# Altium PCB T1_Card.PcbDoc (part 1 of 6) (continued)
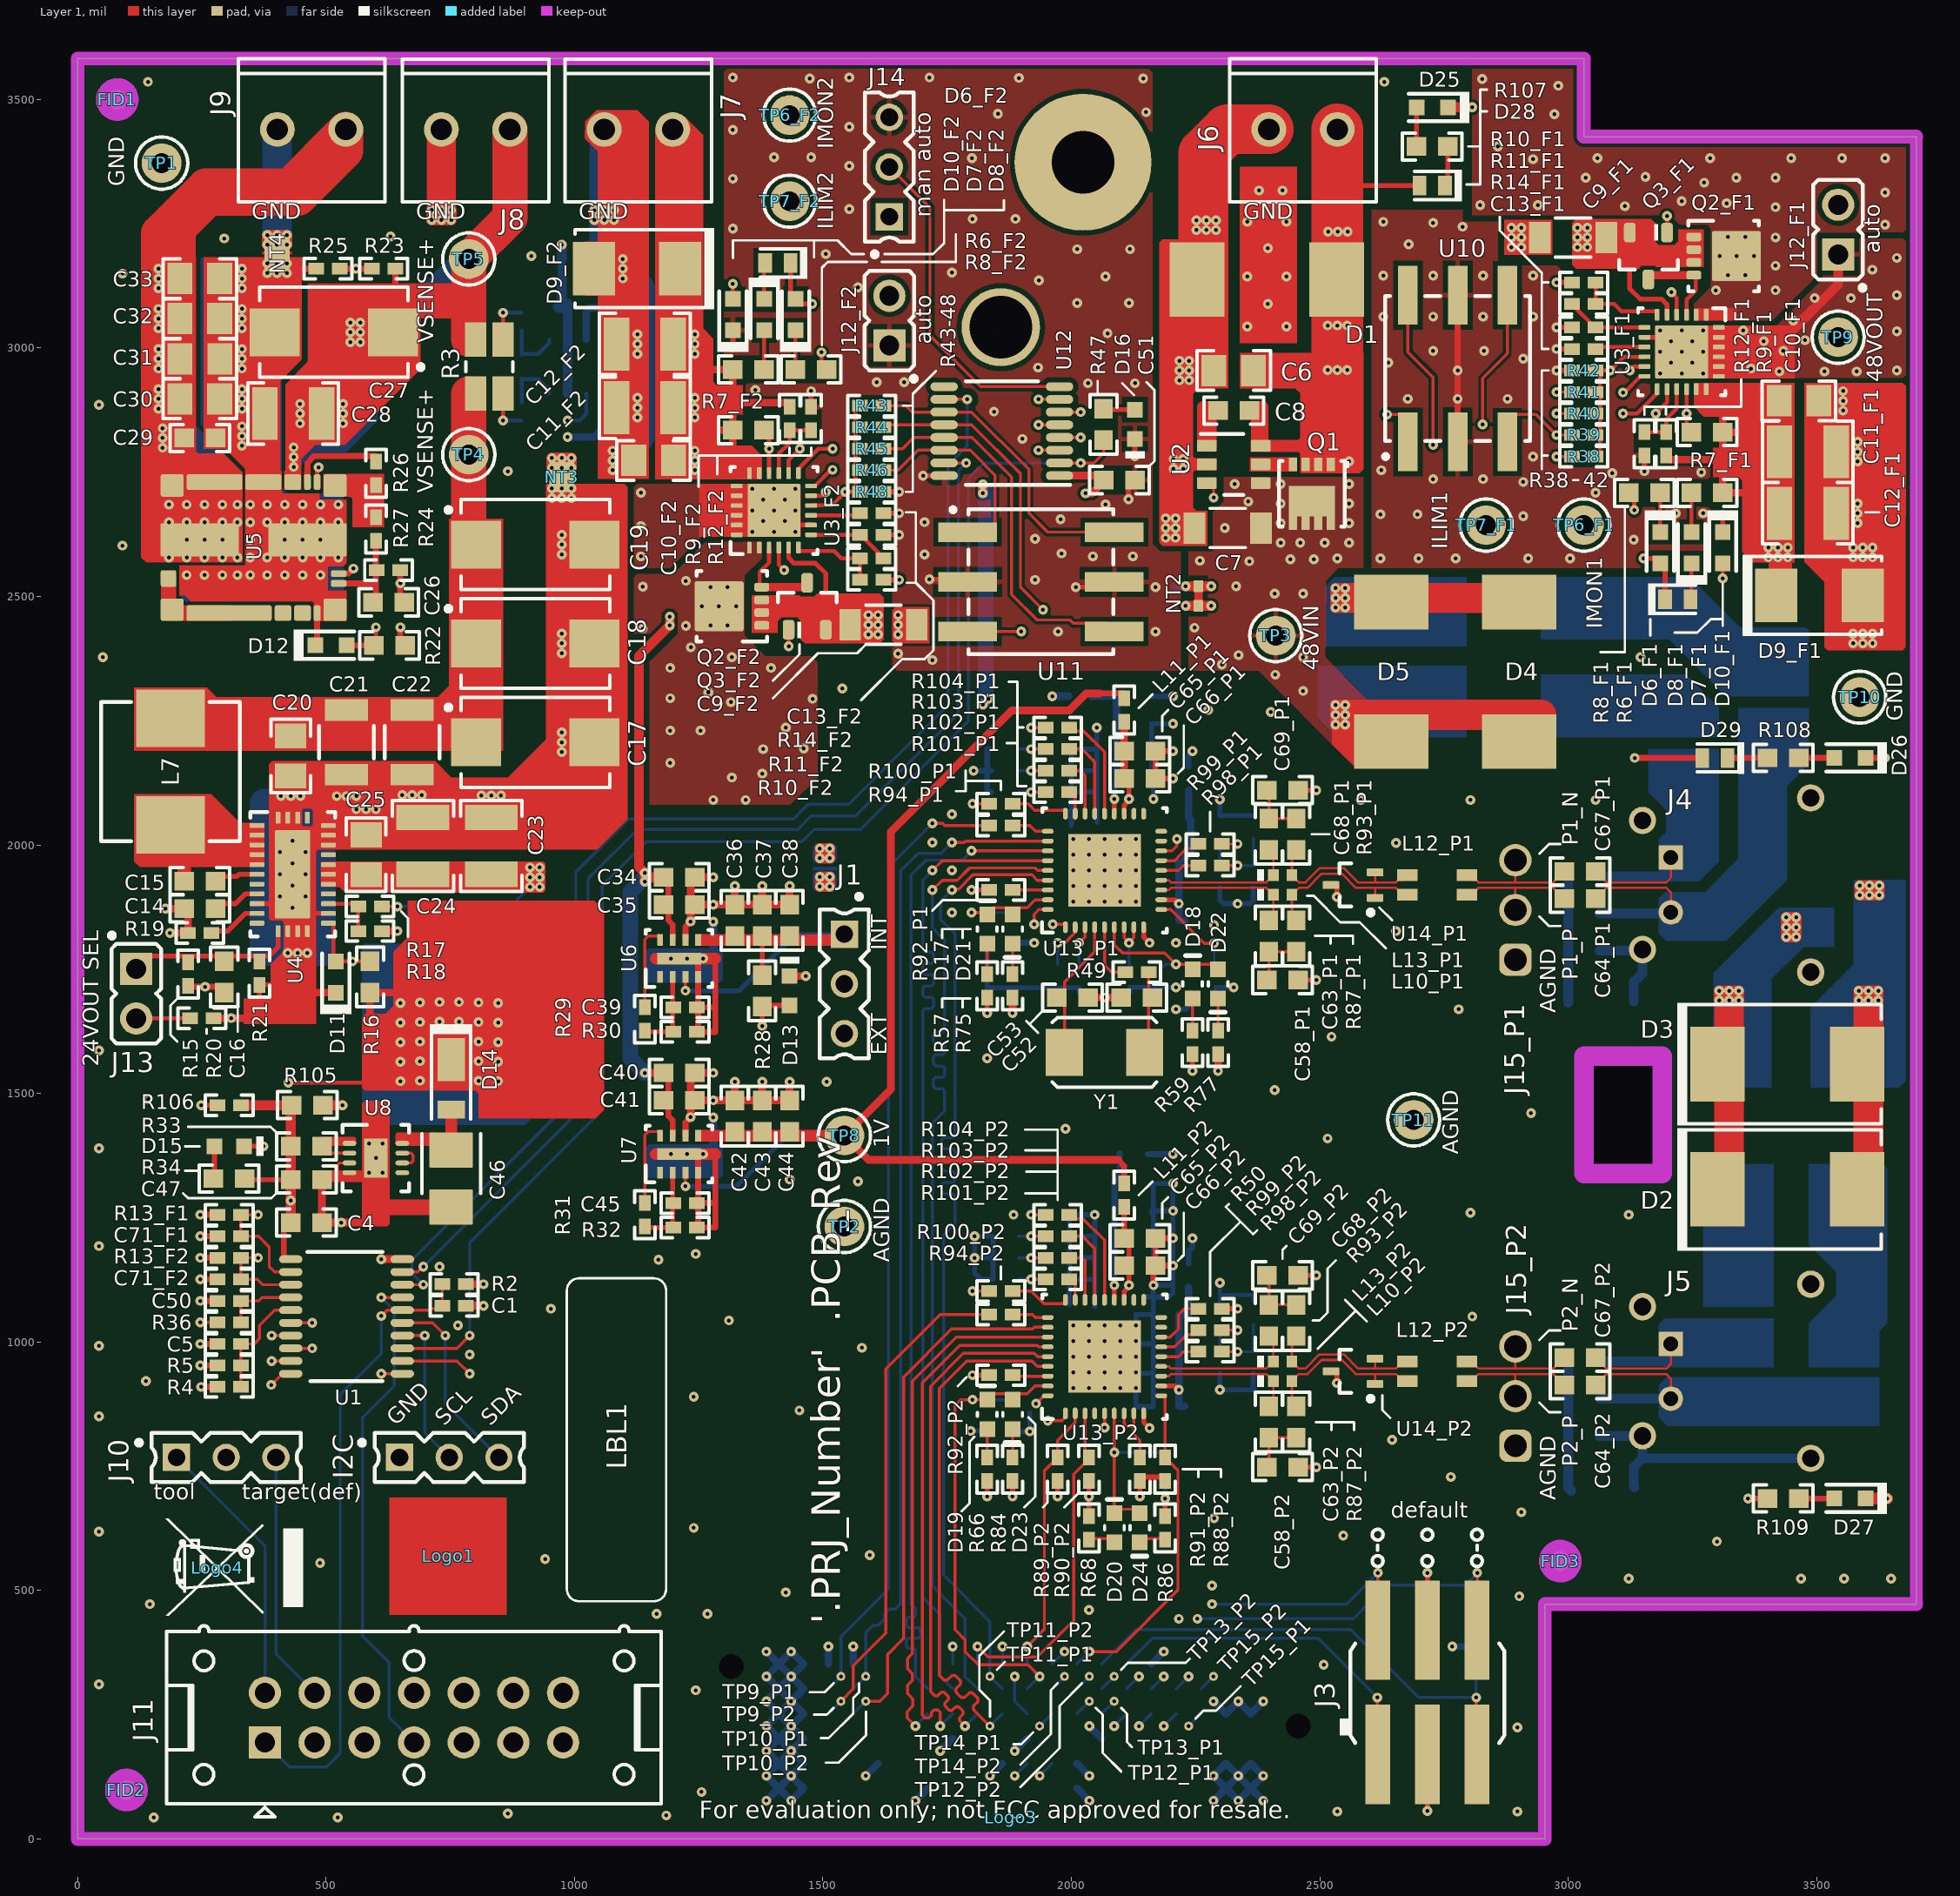
[diagram p0: Layer 1 view]
## Classes and differential pairs
differential pair class P2: D1A_PHY2 D1B_PHY2 D_U_T1_PHY2
net class CLKs: PRU0_MII_RX_CLK1 PRU0_MII_RX_CLK2 PRU0_MII_TX_CLK1 PRU0_MII_TX_CLK2 RCK SRCK
differential pair class Zdiff_100R: D1A_PHY1 D1A_PHY2 D1B_PHY1 D1B_PHY2 D_U_T1_PHY1 D_U_T1_PHY2
net class Z0_50R: CLKOUT1 CLKOUT2 I2C_SCL0 I2C_SDA0 PRU0_MDC PRU0_MDIO PRU0_MII_INH1 PRU0_MII_INH2 PRU0_MII_INT1 PRU0_MII_INT2 PRU0_MII_RESETn1 PRU0_MII_RESETn2 PRU0_MII_RX_CLK1 PRU0_MII_RX_CLK2 PRU0_MII_RX_D0_1 PRU0_MII_RX_D0_2 PRU0_MII_RX_D1_1 PRU0_MII_RX_D1_2 PRU0_MII_RX_D2_1 PRU0_MII_RX_D2_2 PRU0_MII_RX_D3_1 PRU0_MII_RX_D3_2 PRU0_MII_RXDV1 PRU0_MII_RXDV2 PRU0_MII_RXER1 PRU0_MII_RXER2 PRU0_MII_RXLINK1 PRU0_MII_RXLINK2 PRU0_MII_TX_CLK1 PRU0_MII_TX_CLK2 PRU0_MII_TX_D0_1 PRU0_MII_TX_D0_2 PRU0_MII_TX_D1_1 PRU0_MII_TX_D1_2 PRU0_MII_TX_D2_1 PRU0_MII_TX_D2_2 PRU0_MII_TX_D3_1 PRU0_MII_TX_D3_2 PRU0_MII_TX_EN1 PRU0_MII_TX_EN2 RCK RST SER_IN SRCK XI1 XO1 XO2
net class Zdiff_100R: D1A_P1_N D1A_P1_P D1A_P2_N D1A_P2_P D1B_P1_N D1B_P1_P D1B_P2_N D1B_P2_P D_P1_N D_P1_P D_P2_N D_P2_P
net class PWR: 5V_out 24or12V_out 24V12Vout 48V_Supply_In 48V_Vin 48V_VOUT1 48V_Vout2 AGND BUCK_GND External_3V3 GND ILIM_GND INA_GND LM10500_SGNDa LM10500_SGNDb LMZM33603_GND Local_1V Local_3V3 MSP_3V3 PHY_VDD U12_3V3 VDDIO_P1 VDDIO_P2
differential pair class P1: D1A_PHY1 D1B_PHY1 D_U_T1_PHY1
component class P2: C54_P2 C55_P2 C56_P2 C57_P2 C58_P2 C59_P2 C60_P2 C61_P2 C62_P2 C63_P2 C64_P2 C65_P2 C66_P2 C67_P2 C68_P2 C69_P2 C70_P2 J15_P2 L8_P2 L9_P2 L10_P2 L11_P2 L12_P2 L13_P2 R87_P2 R88_P2 R89_P2 R90_P2 R91_P2 R92_P2 R93_P2 R94_P2 R95_P2 R96_P2 R97_P2 R98_P2 R99_P2 R100_P2 R101_P2 R102_P2 R103_P2 R104_P2 TP9_P2 TP10_P2 TP11_P2 TP12_P2 TP13_P2 TP14_P2 TP15_P2 U13_P2 U14_P2
component class P1: C54_P1 C55_P1 C56_P1 C57_P1 C58_P1 C59_P1 C60_P1 C61_P1 C62_P1 C63_P1 C64_P1 C65_P1 C66_P1 C67_P1 C68_P1 C69_P1 C70_P1 J15_P1 L8_P1 L9_P1 L10_P1 L11_P1 L12_P1 L13_P1 R87_P1 R88_P1 R89_P1 R90_P1 R91_P1 R92_P1 R93_P1 R94_P1 R95_P1 R96_P1 R97_P1 R98_P1 R99_P1 R100_P1 R101_P1 R102_P1 R103_P1 R104_P1 TP9_P1 TP10_P1 TP11_P1 TP12_P1 TP13_P1 TP14_P1 TP15_P1 U13_P1 U14_P1
net class TX_MII: PRU0_MII_TX_CLK1 PRU0_MII_TX_CLK2 PRU0_MII_TX_D0_1 PRU0_MII_TX_D0_2 PRU0_MII_TX_D1_1 PRU0_MII_TX_D1_2 PRU0_MII_TX_D2_1 PRU0_MII_TX_D2_2 PRU0_MII_TX_D3_1 PRU0_MII_TX_D3_2 PRU0_MII_TX_EN1 PRU0_MII_TX_EN2
net class RX_MII: PRU0_MII_RX_CLK1 PRU0_MII_RX_CLK2 PRU0_MII_RX_D0_1 PRU0_MII_RX_D0_2 PRU0_MII_RX_D1_1 PRU0_MII_RX_D1_2 PRU0_MII_RX_D2_1 PRU0_MII_RX_D2_2 PRU0_MII_RX_D3_1 PRU0_MII_RX_D3_2 PRU0_MII_RXDV1 PRU0_MII_RXDV2 PRU0_MII_RXER1 PRU0_MII_RXER2
channel class TPS2663: F1 F2
channel class T1_PHY: P1 P2
net class XO[1..2]: XO1 XO2
net class SHDN[1..2]: SHDN1 SHDN2
net class PRU0_MII_TX_EN[1..2]: PRU0_MII_TX_EN1 PRU0_MII_TX_EN2
net class PRU0_MII_TX_D3_[1..2]: PRU0_MII_TX_D3_1 PRU0_MII_TX_D3_2
net class PRU0_MII_TX_D2_[1..2]: PRU0_MII_TX_D2_1 PRU0_MII_TX_D2_2
net class PRU0_MII_TX_D1_[1..2]: PRU0_MII_TX_D1_1 PRU0_MII_TX_D1_2
net class PRU0_MII_TX_D0_[1..2]: PRU0_MII_TX_D0_1 PRU0_MII_TX_D0_2
net class PRU0_MII_TX_CLK[1..2]: PRU0_MII_TX_CLK1 PRU0_MII_TX_CLK2
net class PRU0_MII_RXLINK[1..2]: PRU0_MII_RXLINK1 PRU0_MII_RXLINK2
net class PRU0_MII_RXER[1..2]: PRU0_MII_RXER1 PRU0_MII_RXER2
net class PRU0_MII_RXDV[1..2]: PRU0_MII_RXDV1 PRU0_MII_RXDV2
net class PRU0_MII_RX_D3_[1..2]: PRU0_MII_RX_D3_1 PRU0_MII_RX_D3_2
net class PRU0_MII_RX_D2_[1..2]: PRU0_MII_RX_D2_1 PRU0_MII_RX_D2_2
net class PRU0_MII_RX_D1_[1..2]: PRU0_MII_RX_D1_1 PRU0_MII_RX_D1_2
net class PRU0_MII_RX_D0_[1..2]: PRU0_MII_RX_D0_1 PRU0_MII_RX_D0_2
net class PRU0_MII_RX_CLK[1..2]: PRU0_MII_RX_CLK1 PRU0_MII_RX_CLK2
net class PRU0_MII_RESETn[1..2]: PRU0_MII_RESETn1 PRU0_MII_RESETn2
net class PRU0_MII_INT[1..2]: PRU0_MII_INT1 PRU0_MII_INT2
net class PRU0_MII_INH[1..2]: PRU0_MII_INH1 PRU0_MII_INH2
net class PHY_P[1..2]: PHY_P1 PHY_P2
net class PHY_N[1..2]: PHY_N1 PHY_N2
net class PHY_LED1_[1..2]: PHY_LED1_1 PHY_LED1_2
net class PG[1..2]: PG1 PG2
net class IMON[1..2]: IMON1 IMON2
net class ILM[1..2]: ILM1 ILM2
net class CLKOUT[1..2]: CLKOUT1 CLKOUT2
component class F2: C9_F2 C10_F2 C11_F2 C12_F2 C13_F2 C71_F2 D6_F2 D7_F2 D8_F2 D9_F2 D10_F2 J12_F2 Q2_F2 Q3_F2 R6_F2 R7_F2 R8_F2 R9_F2 R10_F2 R11_F2 R12_F2 R13_F2 R14_F2 TP5_U_TPS26632 TP6_F2 TP6_U_TPS26632 TP7_F2 U3_F2 U3_U_TPS26632
component class F1: C9_F1 C10_F1 C11_F1 C12_F1 C13_F1 C71_F1 D6_F1 D7_F1 D8_F1 D9_F1 D10_F1 J12_F1 Q2_F1 Q3_F1 R6_F1 R7_F1 R8_F1 R9_F1 R10_F1 R11_F1 R12_F1 R13_F1 R14_F1 TP5_U_TPS26631 TP6_F1 TP6_U_TPS26631 TP7_F1 U3_F1 U3_U_TPS26631
component class U_TLC6C598_Q1: C51 D16 J14 R38 R39 R40 R41 R42 R43 R44 R45 R46 R47 R48 R105 U10 U11 U12
component class U_T1_Power_Top_Level: C2 C3 C4 C5 C50 D1 D2 D3 D4 D5 D25 D26 D27 D28 D29 L1 L2 L3 L4 L5 L6 NT2 R3 R4 R5 R107 R108 R109 TP3 TP4 TP5 TP9 U1
component class U_T1_Data_Top_Level: C52 C53 D17 D18 D19 D20 D21 D22 D23 D24 R49 R50 R51 R52 R53 R54 R55 R56 R57 R58 R59 R60 R61 R62 R63 R64 R65 R66 R67 R68 R69 R70 R71 R72 R73 R74 R75 R76 R77 R78 R79 R80 R81 R82 R83 R84 R85 R86 Y1
component class U_T1_Card_Top: C1 I2C J1 J2 J3 J4 J5 J6 J7 J8 J9 J10 J11 R1 R2 TP1 TP2 TP10 TP11
component class U_LP2951: C46 C47 D14 D15 R33 R34 U8
component class U_LMZM33603: C26 C27 C28 C29 C30 C31 C32 C33 D12 NT4 R22 R23 R24 R25 R26 R27 U5
component class U_LMZ10500: C34 C35 C36 C37 C38 C39 C40 C41 C42 C43 C44 C45 D13 NT6 NT7a NT7b R28 R29 R30 R31 R32 TP7 TP8 U6 U7
component class U_LM76003: C14 C15 C16 C17 C18 C19 C20 C21 C22 C23 C24 C25 D11 J13 L7 NT3 R15 R16 R17 R18 R19 R20 R21 U4
component class U_LM74700: C6 C7 C8 Q1 U2
component class U_INA180: C48 C49 NT9 R35 R36 R37 R106 U9
component class Header: I2C J1 J3 J10 J12_F1 J12_F2 J13 J14 J15_P1 J15_P2
component class U_Hardware: FID1 FID2 FID3 LBL1 Logo3 Logo4
component class FiducialMark: FID1 FID2 FID3
component class Label: LBL1
differential pair D1B_PHY2: +D_P2_P -D_P2_N
differential pair D1B_PHY1: +D_P1_P -D_P1_N
differential pair D1A_PHY2: +D1B_P2_P -D1B_P2_N
differential pair D1A_PHY1: +D1B_P1_P -D1B_P1_N
differential pair D_U_T1_PHY2: +D1A_P2_P -D1A_P2_N
differential pair D_U_T1_PHY1: +D1A_P1_P -D1A_P1_N

## Components (designator, comment, footprint, x,y, rotation, side; value= is the part's Value field where it differs from the comment)
C1 "GCM155R71C104JA55D" 0402 757.87,1072.83 r0 top value=0.1uF
C2 "293D106X9063E2TE3" 3216-18 3555.12,1834.65 r0 bottom value=10uF
C3 "293D106X9063E2TE3" 3216-18 2551.18,2379.92 r90 bottom value=10uF
C4 "GRM188R71C104KA01D" 0603 460.63,1240.16 r0 top value=0.1uF
C5 "GCM155R71C104JA55D" 0402 305.12,996.06 r180 top value=0.1uF
C6 "GRM21BR72A223KA01L" 0805_HV 2326.77,2954.72 r180 top value=0.022uF
C7 "GRM31CR72A225KA73L" 1206_190 2314.96,2637.8 r180 top value=2.2uF
C8 "GCM188R71E105KA64D" 0603 2326.77,2874.02 r0 top value=1uF
C9_F1 "GRM31CR72A105KA01L" 1206_180 3009.84,3222.44 r180 top value=1uF (schematic designator C9)
C9_F2 "GRM31CR72A105KA01L" 1206_180 1622.05,2442.91 r0 top value=1uF (schematic designator C9)
C10_F1 "GRM21BR72A474KA73L" 0805_HV 3464.57,2893.7 r0 top value=0.47uF (schematic designator C10)
C10_F2 "GRM21BR72A474KA73L" 0805_HV 1159.45,2773.62 r180 top value=0.47uF (schematic designator C10)
C11_F1 "GRM32DC72A475KE01L" 1210_220 3482.28,2791.34 r0 top value=4.7uF (schematic designator C11)
C11_F2 "GRM32DC72A475KE01L" 1210_220 1141.73,2879.92 r180 top value=4.7uF (schematic designator C11)
C12_F1 "GRM32DC72A475KE01L" 1210_220 3482.28,2667.32 r0 top value=4.7uF (schematic designator C12)
C12_F2 "GRM32DC72A475KE01L" 1210_220 1141.73,3007.87 r180 top value=4.7uF (schematic designator C12)
C13_F1 "GRM155R71C223KA01D" 0402 3031.5,2998.03 r180 top value=0.022uF (schematic designator C13)
C13_F2 "GRM155R71C223KA01D" 0402 1598.43,2667.32 r0 top value=0.022uF (schematic designator C13)
C14 "GRM188R71A225KE15D" 0603 246.06,1872.05 r180 top value=2.2uF
C15 "GCM188R71E474KA64D" 0603 246.06,1927.17 r0 top value=0.47uF
C16 "06035A4R7CAT2A" 0603 295.28,1734.25 r90 top value=4.7pF
C17 "593D106X9035D2TE3" 7343-31 921.26,2206.69 r0 top value=10uF
C18 "593D106X9035D2TE3" 7343-31 921.26,2405.51 r0 top value=10uF
C19 "593D106X9035D2TE3" 7343-31 921.26,2604.33 r0 top value=10uF
C20 "GRM21BR71H474KA88L" 0805_HV 429.13,2179.13 r270 top value=0.47uF
C21 "GRJ32ER71H106KE11L" 1210_280 541.34,2206.69 r270 top value=10uF
C22 "GRJ32ER71H106KE11L" 1210_280 673.23,2206.69 r270 top value=10uF
C23 "GCM32DC72A475KE02L" 1210_220 832.68,1998.03 r90 top value=4.7uF
C24 "GCM32DC72A475KE02L" 1210_220 694.88,1998.03 r90 top value=4.7uF
C25 "GRM21BR72A474KA73L" 0805_HV 580.71,1980.31 r90 top value=0.47uF
C26 "GRM1885C2A101JA01D" 0603 625.98,2488.19 r180 top value=100pF
C27 "593D106X9035D2TE3" 7343-31 515.75,3031.5 r180 top value=10uF
C28 "GRM32ER71H475KA88L" 1210_270 434.06,2868.11 r180 top value=4.7uF
C29 "GRM188R71C104KA01D" 0603 246.06,2818.9 r0 top value=0.1uF
C30 "GRM21BZ71A226ME15L" 0805_HV 246.06,2897.64 r0 top value=22uF
C31 "GRM21BZ71A226ME15L" 0805_HV 246.14,2978.35 r0 top value=22uF
C32 "GRM21BZ71A226ME15L" 0805_HV 246.06,3059.06 r0 top value=22uF
C33 "GRM21BZ71A226ME15L" 0805_HV 246.06,3139.76 r0 top value=22uF
C34 "GRM188Z71A106MA73D" 0603 1210.63,1935.04 r0 top value=10uF
C35 "GRM188R71C104KA01D" 0603 1210.63,1879.92 r0 top value=0.1uF
C36 "GRM188R71C104KA01D" 0603 1322.83,1848.43 r90 top value=0.1uF
C37 "GRM188Z71C475KE21D" 0603 1377.95,1848.43 r90 top value=4.7uF
C38 "GRM188Z71A106MA73D" 0603 1433.07,1848.43 r90 top value=10uF
C39 "GCM155R71H471KA37D" 0402 1222.44,1673.23 r0 top value=470pF
C40 "GRM188Z71A106MA73D" 0603 1210.63,1541.34 r0 top value=10uF
C41 "GRM188R71C104KA01D" 0603 1210.63,1486.22 r0 top value=0.1uF
C42 "GRM188R71C104KA01D" 0603 1322.83,1454.72 r90 top value=0.1uF
C43 "GRM188Z71C475KE21D" 0603 1377.95,1454.72 r90 top value=4.7uF
C44 "GRM188Z71A106MA73D" 0603 1433.07,1454.72 r90 top value=10uF
C45 "GCM155R71H471KA37D" 0402 1222.44,1279.53 r0 top value=470pF
C46 "293D105X9035B2TE3" 3528-21 751.97,1328.74 r270 top value=1uF
C47 "GRM188Z71A106MA73D" 0603 460.63,1326.77 r0 top value=10uF
C48 "GCM188R71C104KA37J" 0603 1000,3080.71 r180 bottom value=0.1uF
C49 "GRM155R61C475ME15" 0402 893.7,2962.6 r90 bottom value=4.7uF
C50 "GRM155R71C103KA01D" 0402 305.12,1082.68 r180 top value=0.01uF
C51 "GRM188R71C104KA01D" 0603 2096.46,2734.25 r0 top value=0.1uF
C52 "GRM1885C1H270JA01D" 0603 2001.97,1692.91 r0 top value=27pF
C53 "GRM1885C1H270JA01D" 0603 2131.89,1692.91 r180 top value=27pF
C54_P1 "GRM188Z71A106MA73D" 0603 2129.92,2299.21 r0 bottom value=10uF (schematic designator C54)
C54_P2 "GRM188Z71A106MA73D" 0603 2129.92,1318.9 r0 bottom value=10uF (schematic designator C54)
C55_P1 "GCM188R71E105KA64D" 0603 2129.92,2244.09 r0 bottom value=1uF (schematic designator C55)
C55_P2 "GCM188R71E105KA64D" 0603 2129.92,1263.78 r0 bottom value=1uF (schematic designator C55)
C56_P1 "GRM188R71E104KA01D" 0603 2129.92,2188.98 r0 bottom value=0.1uF (schematic designator C56)
C56_P2 "GRM188R71E104KA01D" 0603 2129.92,1208.66 r0 bottom value=0.1uF (schematic designator C56)
C57_P1 "GCM188R71H103KA37D" 0603 2129.92,2133.86 r0 bottom value=0.01uF (schematic designator C57)
C57_P2 "GCM188R71H103KA37D" 0603 2129.92,1153.54 r0 bottom value=0.01uF (schematic designator C57)
C58_P1 "CGA3E2C0G1H470J080AA" 0603 2425.2,1728.35 r180 top value=47pF (schematic designator C58)
C58_P2 "CGA3E2C0G1H470J080AA" 0603 2425.2,748.03 r180 top value=47pF (schematic designator C58)
C59_P1 "GRM188Z71A106MA73D" 0603 2196.85,2051.18 r180 bottom value=10uF (schematic designator C59)
C59_P2 "GRM188Z71A106MA73D" 0603 2196.85,1055.12 r180 bottom value=10uF (schematic designator C59)
C60_P1 "GCM188R71E105KA64D" 0603 2196.85,1972.44 r180 bottom value=1uF (schematic designator C60)
C60_P2 "GCM188R71E105KA64D" 0603 2196.85,996.06 r180 bottom value=1uF (schematic designator C60)
C61_P1 "GRM188R71E104KA01D" 0603 2196.85,1917.32 r180 bottom value=0.1uF (schematic designator C61)
C61_P2 "GRM188R71E104KA01D" 0603 2196.85,937.01 r180 bottom value=0.1uF (schematic designator C61)
C62_P1 "GCM188R71H103KA37D" 0603 2196.85,1848.43 r180 bottom value=0.01uF (schematic designator C62)
C62_P2 "GCM188R71H103KA37D" 0603 2196.85,870.08 r180 bottom value=0.01uF (schematic designator C62)
C63_P1 "GRM1885C2A220JA01D" 0603 2397.64,1816.93 r90 top value=22pF (schematic designator C63)
C63_P2 "GRM1885C2A220JA01D" 0603 2397.64,838.58 r90 top value=22pF (schematic designator C63)
C64_P1 "GRM188R72A104KA35J" 0603 3023.62,1891.73 r180 top value=0.1uF (schematic designator C64)
C64_P2 "GRM188R72A104KA35J" 0603 3023.62,913.39 r180 top value=0.1uF (schematic designator C64)
C65_P1 "GRM188Z71A106MA73D" 0603 2137.8,2188.98 r0 top value=10uF (schematic designator C65)
C65_P2 "GRM188Z71A106MA73D" 0603 2137.8,1208.66 r0 top value=10uF (schematic designator C65)
C66_P1 "GRM188R71E104KA01D" 0603 2137.8,2133.86 r0 top value=0.1uF (schematic designator C66)
C66_P2 "GRM188R71E104KA01D" 0603 2137.8,1153.54 r0 top value=0.1uF (schematic designator C66)
C67_P1 "GRM188R72A104KA35J" 0603 3023.62,1946.85 r180 top value=0.1uF (schematic designator C67)
C67_P2 "GRM188R72A104KA35J" 0603 3023.62,968.5 r180 top value=0.1uF (schematic designator C67)
C68_P1 "GRM1885C2A220JA01D" 0603 2397.64,2021.65 r90 top value=22pF (schematic designator C68)
C68_P2 "GRM1885C2A220JA01D" 0603 2397.64,1043.31 r90 top value=22pF (schematic designator C68)
C69_P1 "CGA3E2C0G1H470J080AA" 0603 2425.2,2110.24 r0 top value=47pF (schematic designator C69)
C69_P2 "CGA3E2C0G1H470J080AA" 0603 2425.2,1133.86 r0 top value=47pF (schematic designator C69)
C70_P1 "GCM188R72A472KA37D" 0603 3031.5,1787.4 r0 bottom value=4700pF (schematic designator C70)
C70_P2 "GCM188R72A472KA37D" 0603 3031.5,811.02 r0 bottom value=4700pF (schematic designator C70)
C71_F1 "GCM155R71C104JA55D" 0402 305.12,1212.6 r180 top value=0.1uF (schematic designator C71)
C71_F2 "GCM155R71C104JA55D" 0402 305.12,1125.98 r180 top value=0.1uF (schematic designator C71)
D1 "SMCJ48CA-TR" SMC_Bi 2393.7,3137.8 r0 top value=48V
D2 "SMCJ48A-TR" SMC 3440.94,1307.09 r0 top value=48V
D3 "SMCJ48A-TR" SMC 3440.94,1559.06 r0 top value=48V
D4 "SMCJ48CA-TR" SMC_Bi 2901.57,2348.43 r270 top value=48V
D5 "SMCJ48CA-TR" SMC_Bi 2643.7,2348.43 r270 top value=48V
D6_F1 "CD0603-S01575" Diode_0603 3220.47,2494.09 r0 top value=100V (schematic designator D6)
D6_F2 "CD0603-S01575" Diode_0603 1409.45,3171.26 r180 top value=100V (schematic designator D6)
D7_F1 "150060RS75000" WL-SMCW_RED 3248.03,2598.43 r90 top value=Red (schematic designator D7)
D7_F2 "150060RS75000" WL-SMCW_RED 1381.89,3066.93 r270 top value=Red (schematic designator D7)
D8_F1 "150060RS75000" WL-SMCW_RED 3185.04,2598.43 r270 top value=Red (schematic designator D8)
D8_F2 "150060RS75000" WL-SMCW_RED 1444.88,3066.93 r90 top value=Red (schematic designator D8)
D9_F1 "B260-13-F" SMB 3505.91,2501.97 r0 top value=60V (schematic designator D9)
D9_F2 "B260-13-F" SMB 1125.98,3159.45 r180 top value=60V (schematic designator D9)
D10_F1 "150060GS75000" WL-SMCW_GREEN 3311.02,2598.43 r270 top value=Green (schematic designator D10)
D10_F2 "150060GS75000" WL-SMCW_GREEN 1318.9,3066.93 r90 top value=Green (schematic designator D10)
D11 "150060GS75000" WL-SMCW_GREEN 519.68,1734.25 r90 top value=Green
D12 "150060GS75000" WL-SMCW_GREEN 509.84,2401.57 r0 top value=Green
D13 "LTST-C190KGKT" LED_LTST-C190_G 1433.07,1706.69 r90 top value=Green
D14 "DFLZ30-7" PowerDI123 751.97,1517.72 r270 top value=30V
D15 "LTST-C190KGKT" LED_LTST-C190_G 305.12,1393.7 r0 top value=Green
D16 "LTST-C190KGKT" LED_LTST-C190_G 2127.95,2846.46 r270 top value=Green
D17 "LG L29K-G2J1-24-Z" "LG L29K_GREEN" 1830.71,1830.71 r90 top value=Green
D18 "LY L29K-J1K2-26-Z" "LY L29K_Yellow" 2244.09,1720.47 r90 top value=Yellow
D19 "LG L29K-G2J1-24-Z" "LG L29K_GREEN" 1830.71,854.33 r90 top value=Green
D20 "LY L29K-J1K2-26-Z" "LY L29K_Yellow" 2086.61,625.98 r90 top value=Yellow
D21 "LG L29K-G2J1-24-Z" "LG L29K_GREEN" 1881.89,1830.71 r270 top value=Green
D22 "LY L29K-J1K2-26-Z" "LY L29K_Yellow" 2295.28,1720.47 r270 top value=Yellow
D23 "LG L29K-G2J1-24-Z" "LG L29K_GREEN" 1881.89,854.33 r270 top value=Green
D24 "LY L29K-J1K2-26-Z" "LY L29K_Yellow" 2137.8,625.98 r270 top value=Yellow
D25 "150060BS75000" WL-SMCW_Blue 2726.38,3484.25 r180 top value=Blue
D26 "150060BS75000" WL-SMCW_Blue 3566.93,2175.2 r180 top value=Blue
D27 "150060BS75000" WL-SMCW_Blue 3566.93,685.04 r180 top value=Blue
D28 "CD0603-S01575" Diode_0603 2726.38,3326.77 r180 top value=100V
D29 "CD0603-S01575" Diode_0603 3295.28,2175.2 r180 top value=100V
FID1 "Fiducial" Fiducial10-20 80,3500 r0 top
FID2 "Fiducial" Fiducial10-20 98.43,98.43 r0 top
FID3 "Fiducial" Fiducial10-20 2984.25,559.06 r0 top
I2C "SL 11 112 03G" Fischer_SL-11-112-03G 748.03,767.72 r0 top
J1 "SL 11 112 03G" Fischer_SL-11-112-03G 1543.31,1720.47 r270 top
J2 "SEAM-20-03.0-S-06-2-A-K-TR" Samtec_SEAM-20-03_0-x-06-2-A-K 1886.22,227 r90 bottom locked
J3 "GBC03DABN-M30" Sullins_GBC03DABN-M30 2716.54,295.28 r90 top
J4 "09452812800" FP-09452812800_HDR2-MFG#1 3419.2,1919.49 r90 top locked
J5 "09452812800" FP-09452812800_HDR2-MFG#2 3419.2,941.03 r90 top locked
J6 "1751248" CONN_1751248 2466.37,3440 r180 top locked
J7 "1751248" CONN_1751248 1128.9,3439.6 r180 top locked
J8 "1751248" CONN_1751248 801.1,3439.8 r180 top locked
J9 "1751248" CONN_1751248 470.96,3440 r180 top locked
J10 "SL 11 112 03G" Fischer_SL-11-112-03G 299.21,767.72 r0 top
J11 "SBH11-PBPC-D07-ST-BK" CONN_SBH11-PBPC-D07-ST-BK 677.17,244.09 r0 top
J12_F1 "PBC02SAAN" Sullins_PBC02SAAN 3543.31,3238.19 r180 top (schematic designator J12)
J12_F2 "PBC02SAAN" Sullins_PBC02SAAN 1633.86,3055.12 r180 top (schematic designator J12)
J13 "PBC02SAAN" Sullins_PBC02SAAN 118.11,1700.79 r0 top
J14 "SL 11 112 03G" Fischer_SL-11-112-03G 1633.86,3364.17 r90 top
J15_P1 "61300311121" WURTH_61300311121 2893.7,1869.29 r90 top (schematic designator J15)
J15_P2 "61300311121" WURTH_61300311121 2893.7,890.94 r90 top locked (schematic designator J15)
L1 "744383360033" WE-MAPI_3020 3342.52,1059.06 r270 bottom value=330nH
L2 "744383360033" WE-MAPI_3020 3232.28,2204.72 r90 bottom value=330nH
L3 "7448991068" FP-7448991068_SMT_10MM0_10MM0-MFG 3448.82,1433.07 r180 bottom
L4 "7448991068" FP-7448991068_SMT_10MM0_10MM0-MFG 2870.08,2377.95 r90 bottom
L5 "744383360033" WE-MAPI_3020 3555.12,940.94 r270 bottom value=330nH
L6 "744383360033" WE-MAPI_3020 3413.39,2287.4 r90 bottom value=330nH
L7 "74437346100" WE-LHMI_7030 187.01,2147.64 r90 top value=10uH
L8_P1 "742792796" 0402 2017.72,2299.21 r0 bottom value="1000 ohm" (schematic designator L8)
L8_P2 "742792796" 0402 2129.92,1377.95 r180 bottom value="1000 ohm" (schematic designator L8)
L9_P1 "742792796" 0402 2236.22,2133.86 r270 bottom value="1000 ohm" (schematic designator L9)
L9_P2 "742792796" 0402 2236.22,1133.86 r270 bottom value="1000 ohm" (schematic designator L9)
L10_P1 "LQG15HSR12J02D" IND_LQG15H 2425.2,1899.61 r0 top value=120nH (schematic designator L10)
L10_P2 "LQG15HSR12J02D" IND_LQG15H 2425.2,921.26 r0 top value=120nH (schematic designator L10)
L11_P1 "742792796" 0402 2106.3,2271.65 r270 top value="1000 ohm" (schematic designator L11)
L11_P2 "742792796" 0402 2106.3,1295.28 r270 top value="1000 ohm" (schematic designator L11)
L12_P1 "DLW32MH201XK2" FP-DLW32MH201XK2_1210-MFG 2736.22,1919.29 r0 top (schematic designator L12)
L12_P2 "DLW32MH201XK2" FP-DLW32MH201XK2_1210-MFG 2736.22,940.94 r0 top (schematic designator L12)
L13_P1 "LQG15HSR12J02D" IND_LQG15H 2425.2,1938.98 r0 top value=120nH (schematic designator L13)
L13_P2 "LQG15HSR12J02D" IND_LQG15H 2425.2,960.63 r0 top value=120nH (schematic designator L13)
LBL1 "THT-14-423-10" Label_650x200 1084.65,803.15 r90 top
Logo1 "" GCD-Logo_5.5x5.5_SolderMask 746.06,568.9 r90 top
Logo3 "FCC disclaimer" FCC_disclaimer 1877.95,43.31 r0 top
Logo4 "WEEE logo" WEEE_Minimum 281.5,545.28 r90 top
NT2 "Net-Tie" NetTie_0402 2255.91,2500.98 r270 top net-tie
NT3 "Net-Tie" Net-Tie_50milWide_30milLong 974.41,2740.16 r270 top net-tie
NT4 "Net-Tie" Net-Tie_50milWide_30milLong 401.57,3188.98 r270 top net-tie
NT6 "Net-Tie" Net-Tie_50milWide_30milLong 1503.94,1954.72 r270 bottom net-tie
NT7a "Net-Tie" NetTie_0402 1279.53,1799.21 r270 bottom net-tie
NT7b "Net-Tie" NetTie_0402 1279.53,1403.54 r270 bottom net-tie
NT9 "Net-Tie" NetTie_0402 974.41,3159.45 r270 bottom net-tie
Q1 "DMT6007LFG-13" PowerDI3333-8 2484.25,2706.69 r270 top value=60V
Q2_F1 "CSD19537Q3" DQG0008A 3312.99,3185.04 r0 top value=100V (schematic designator Q2)
Q2_F2 "CSD19537Q3" DQG0008A 1316.93,2480.31 r180 top value=100V (schematic designator Q2)
Q3_F1 "BSS138" SOT-23 3161.42,3185.04 r270 top value=50V (schematic designator Q3)
Q3_F2 "BSS138" SOT-23 1468.5,2480.31 r90 top value=50V (schematic designator Q3)
R1 "CRCW04022K49FKED" 0402 2814.96,354.33 r90 bottom value=2.49k
R2 "CRCW040249K9FKED" 0402 757.87,1116.14 r0 top value=49.9k
R3 "LVK12R020FER" LVK12 828.74,2962.6 r270 top value=0.02
R4 "CRCW0402562KFKED" 0402 305.12,909.45 r180 top value=562k
R5 "CRCW040224K9FKED" 0402 305.12,952.76 r0 top value=24.9k
R6_F1 "CRCW060349K9FKEA" 0603 3279.53,2708.66 r180 top value=49.9k (schematic designator R6)
R6_F2 "CRCW060349K9FKEA" 0603 1350.39,2956.69 r0 top value=49.9k (schematic designator R6)
R7_F1 "CRCW060349K9FKEA" 0603 3279.53,2830.71 r0 top value=49.9k (schematic designator R7)
R7_F2 "CRCW060349K9FKEA" 0603 1350.39,2834.65 r180 top value=49.9k (schematic designator R7)
R8_F1 "CRCW060349K9FKEA" 0603 3153.54,2708.66 r0 top value=49.9k (schematic designator R8)
R8_F2 "CRCW060349K9FKEA" 0603 1476.38,2956.69 r180 top value=49.9k (schematic designator R8)
R9_F1 "CRCW0402715KFKED" 0402 3196.85,2807.09 r270 top value=715k (schematic designator R9)
R9_F2 "CRCW0402715KFKED" 0402 1433.07,2858.27 r90 top value=715k (schematic designator R9)
R10_F1 "CRCW0402976KFKED" 0402 3031.5,3131.89 r180 top value=976k (schematic designator R10)
R10_F2 "CRCW0402976KFKED" 0402 1598.43,2533.46 r0 top value=976k (schematic designator R10)
R11_F1 "CRCW040210K0FKED" 0402 3031.5,3088.58 r0 top value=10.0k (schematic designator R11)
R11_F2 "CRCW040210K0FKED" 0402 1598.43,2576.77 r180 top value=10.0k (schematic designator R11)
R12_F1 "CRCW040224K3FKED" 0402 3153.54,2807.09 r90 top value=24.3k (schematic designator R12)
R12_F2 "CRCW040224K3FKED" 0402 1476.38,2858.27 r270 top value=24.3k (schematic designator R12)
R13_F1 "CRCW040217K8FKED" 0402 305.12,1255.91 r0 top value=17.8k (schematic designator R13)
R13_F2 "CRCW040217K8FKED" 0402 305.12,1169.29 r0 top value=17.8k (schematic designator R13)
R14_F1 "CRCW040224K3FKED" 0402 3031.5,3041.34 r0 top value=24.3k (schematic designator R14)
R14_F2 "CRCW040224K3FKED" 0402 1598.43,2624.02 r180 top value=24.3k (schematic designator R14)
R15 "CRCW0402100KFKED" 0402 222.44,1740.16 r270 top value=100k
R16 "CRCW060349K9FKEA" 0603 588.58,1734.25 r270 top value=49.9k
R17 "CRCW0402243KFKED" 0402 588.58,1875.98 r0 top value=243k
R18 "CRCW040210K0FKED" 0402 588.58,1826.77 r180 top value=10.0k
R19 "CRCW040260K4FKED" 0402 246.06,1822.83 r0 top value=60.4k
R20 "CRCW04028K25FKED" 0402 250,1651.57 r180 top value=8.25k
R21 "CRCW04029K09FKED" 0402 366.14,1742.13 r90 top value=9.09k
R22 "CRCW060324K3FKEA" 0603 627.95,2401.57 r0 top value=24.3k
R23 "CRCW0402100KFKED" 0402 616.14,3159.45 r0 top value=100k
R24 "CRCW040240K2FKED" 0402 625.98,2553.15 r0 top value=40.2k
R25 "CRCW040220K5FKED" 0402 503.94,3159.45 r0 top value=20.5k
R26 "CRCW040288K7FKED" 0402 600.39,2748.03 r90 top value=88.7k
R27 "CRCW040210K0FKED" 0402 600.39,2635.83 r270 top value=10.0k
R28 "CRCW0603432RFKEA" 0603 1377.95,1706.69 r90 top value=432
R29 "CRCW0402118KFKED" 0402 1141.73,1649.61 r90 top value=118k
R30 "CRCW0402150KFKED" 0402 1222.44,1624.02 r180 top value=150k
R31 "CRCW040286K6FKED" 0402 1141.73,1255.91 r90 top value=86.6k
R32 "CRCW040218K7FKED" 0402 1222.44,1230.31 r180 top value=18.7k
R33 "CRCW06031R00FKEA" 0603 460.63,1393.7 r0 top value=1.00
R34 "CRCW0603432RFKEA" 0603 305.12,1328.74 r0 top value=432
R35 "CRCW04024R75FKED" 0402 893.7,2866.14 r90 bottom value=4.75
R36 "CRCW04021K00FKED" 0402 305.12,1039.37 r0 top value=1.00k
R37 "CRCW04024R75FKED" 0402 893.7,3059.06 r270 bottom value=4.75
R38 "CRCW04027K50FKED" 0402 3031.5,2781.5 r0 top value=7.50k
R39 "CRCW040215K0FKED" 0402 3031.5,2824.8 r0 top value=15.0k
R40 "CRCW040230K1FKED" 0402 3031.5,2868.11 r0 top value=30.1k
R41 "CRCW040260K4FKED" 0402 3031.5,2911.42 r0 top value=60.4k
R42 "CRCW040260K4FKED" 0402 3031.5,2954.72 r0 top value=60.4k
R43 "CRCW040211K3FKED" 0402 1598.43,2883.86 r180 top value=11.3k
R44 "CRCW040222K6FKED" 0402 1598.43,2840.55 r180 top value=22.6k
R45 "CRCW040245K3FKED" 0402 1598.43,2797.24 r180 top value=45.3k
R46 "CRCW040290K9FKED" 0402 1598.43,2753.94 r180 top value=90.9k
R47 "CRCW0603432RFKEA" 0603 2064.96,2846.46 r270 top value=432
R48 "CRCW040290K9FKED" 0402 1598.43,2710.63 r180 top value=90.9k
R49 "CRCW04020000Z0ED" 0402 2131.89,1744.09 r0 top value=0
R50 "CRCW04022K49FKED" 0402 2279.53,1066.93 r180 top value=2.49k
R51 "CRCW04022K49FKED" 0402 2299.21,2035.43 r90 bottom value=2.49k
R52 "CRCW04022K49FKED" 0402 2366.14,2035.43 r90 bottom value=2.49k
R53 "CRCW04022K49FKED" 0402 1862.2,2106.3 r180 bottom value=2.49k
R54 "CRCW04022K49FKED" 0402 1862.2,2149.61 r180 bottom value=2.49k
R55 "CRCW04022K49FKED" 0402 1862.2,2192.91 r180 bottom value=2.49k
R56 "CRCW04022K49FKED" 0402 1830.71,1834.65 r270 bottom value=2.49k
R57 "CRCW0402560RJNED" 0402 1830.71,1716.54 r270 top value=560
R58 "CRCW04022K49FKED" 0402 2181.1,1728.35 r270 bottom value=2.49k
R59 "CRCW0402560RJNED" 0402 2244.09,1602.36 r270 top value=560
R60 "CRCW04022K49FKED" 0402 2299.21,1059.06 r90 bottom value=2.49k
R61 "CRCW04022K49FKED" 0402 2366.14,1059.06 r90 bottom value=2.49k
R62 "CRCW04022K49FKED" 0402 1866.14,1125.98 r180 bottom value=2.49k
R63 "CRCW04022K49FKED" 0402 1866.14,1169.29 r180 bottom value=2.49k
R64 "CRCW04022K49FKED" 0402 1866.14,1212.6 r180 bottom value=2.49k
R65 "CRCW04022K49FKED" 0402 1831.84,854.33 r270 bottom value=2.49k
R66 "CRCW0402560RJNED" 0402 1830.71,744.09 r270 top value=560
R67 "CRCW04022K49FKED" 0402 2137.8,748.03 r270 bottom value=2.49k
R68 "CRCW0402560RJNED" 0402 2035.43,625.98 r90 top value=560
R69 "CRCW04022K49FKED" 0402 2299.21,1937.01 r90 bottom value=2.49k
R70 "CRCW04022K49FKED" 0402 2366.14,1937.01 r90 bottom value=2.49k
R71 "CRCW04022K49FKED" 0402 1976.38,2106.3 r180 bottom value=2.49k
R72 "CRCW04022K49FKED" 0402 1976.38,2149.61 r180 bottom value=2.49k
R73 "CRCW04022K49FKED" 0402 1976.38,2192.91 r180 bottom value=2.49k
R74 "CRCW04022K49FKED" 0402 1881.89,1834.65 r90 bottom value=2.49k
R75 "CRCW0402560RJNED" 0402 1881.89,1716.54 r90 top value=560
R76 "CRCW04022K49FKED" 0402 2240.16,1728.35 r90 bottom value=2.49k
R77 "CRCW0402560RJNED" 0402 2295.28,1602.36 r90 top value=560
R78 "CRCW04022K49FKED" 0402 2299.21,960.63 r90 bottom value=2.49k
R79 "CRCW04022K49FKED" 0402 2366.14,960.63 r90 bottom value=2.49k
R80 "CRCW04022K49FKED" 0402 1972.44,1125.98 r180 bottom value=2.49k
R81 "CRCW04022K49FKED" 0402 1972.44,1169.29 r180 bottom value=2.49k
R82 "CRCW04022K49FKED" 0402 1972.44,1212.6 r180 bottom value=2.49k
R83 "CRCW04022K49FKED" 0402 1881.89,854.33 r90 bottom value=2.49k
R84 "CRCW0402560RJNED" 0402 1881.89,744.09 r90 top value=560
R85 "CRCW04022K49FKED" 0402 2188.98,748.03 r90 bottom value=2.49k
R86 "CRCW0402560RJNED" 0402 2188.98,625.98 r270 top value=560
R87_P1 "RC0603FR-0727RL" 0603 2452.76,1816.93 r270 top value=27.0 (schematic designator R87)
R87_P2 "RC0603FR-0727RL" 0603 2452.76,838.58 r270 top value=27.0 (schematic designator R87)
R88_P1 "CRCW04022K49FKED" 0402 2287.4,1728.35 r270 bottom value=2.49k (schematic designator R88)
R88_P2 "CRCW04022K49FKED" 0402 2188.98,744.09 r270 top value=2.49k (schematic designator R88)
R89_P1 "CRCW04022K49FKED" 0402 1972.44,1728.35 r270 bottom value=2.49k (schematic designator R89)
R89_P2 "CRCW04022K49FKED" 0402 1972.44,744.09 r270 top value=2.49k (schematic designator R89)
R90_P1 "CRCW04022K49FKED" 0402 2015.75,1728.35 r270 bottom value=2.49k (schematic designator R90)
R90_P2 "CRCW04022K49FKED" 0402 2035.43,744.09 r270 top value=2.49k (schematic designator R90)
R91_P1 "CRCW04022K49FKED" 0402 2118.11,1728.35 r270 bottom value=2.49k (schematic designator R91)
R91_P2 "CRCW04022K49FKED" 0402 2137.8,744.09 r270 top value=2.49k (schematic designator R91)
R92_P1 "CRCW04020000Z0ED" 0402 1858.27,1909.45 r0 top value=0 (schematic designator R92)
R92_P2 "CRCW04020000Z0ED" 0402 1858.27,933.07 r0 top value=0 (schematic designator R92)
R93_P1 "RC0603FR-0727RL" 0603 2452.76,2021.65 r270 top value=27.0 (schematic designator R93)
R93_P2 "RC0603FR-0727RL" 0603 2452.76,1043.31 r270 top value=27.0 (schematic designator R93)
R94_P1 "CRCW040222R0JNED" 0402 1858.27,2039.37 r0 top value=22 (schematic designator R94)
R94_P2 "CRCW040222R0JNED" 0402 1858.27,1055.12 r0 top value=22 (schematic designator R94)
R95_P1 "CRCW06031K00FKEA" 0603 3031.5,1937.01 r0 bottom value=1.00k (schematic designator R95)
R95_P2 "CRCW06031K00FKEA" 0603 3031.5,960.63 r0 bottom value=1.00k (schematic designator R95)
R96_P1 "CRCW06031K00FKEA" 0603 3031.5,1862.2 r0 bottom value=1.00k (schematic designator R96)
R96_P2 "CRCW06031K00FKEA" 0603 3031.5,885.83 r0 bottom value=1.00k (schematic designator R96)
R97_P1 "CRCW1206100KFKEA" 1206 3062.99,1700.79 r180 bottom value=100k (schematic designator R97)
R97_P2 "CRCW1206100KFKEA" 1206 3059.06,700.79 r180 bottom value=100k (schematic designator R97)
R98_P1 "CRCW040222R0JNED" 0402 2279.53,1958.66 r180 top value=22 (schematic designator R98)
R98_P2 "CRCW040222R0JNED" 0402 2279.53,980.31 r180 top value=22 (schematic designator R98)
R99_P1 "CRCW040222R0JNED" 0402 2279.53,2001.97 r180 top value=22 (schematic designator R99)
R99_P2 "CRCW040222R0JNED" 0402 2279.53,1023.62 r180 top value=22 (schematic designator R99)
R100_P1 "CRCW040222R0JNED" 0402 1858.27,2082.68 r0 top value=22 (schematic designator R100)
R100_P2 "CRCW040222R0JNED" 0402 1858.27,1102.36 r0 top value=22 (schematic designator R100)
R101_P1 "CRCW040222R0JNED" 0402 1972.44,2106.3 r0 top value=22 (schematic designator R101)
R101_P2 "CRCW040222R0JNED" 0402 1972.44,1125.98 r0 top value=22 (schematic designator R101)
R102_P1 "CRCW040222R0JNED" 0402 1972.44,2149.61 r0 top value=22 (schematic designator R102)
R102_P2 "CRCW040222R0JNED" 0402 1972.44,1169.29 r0 top value=22 (schematic designator R102)
R103_P1 "CRCW040222R0JNED" 0402 1972.44,2192.91 r0 top value=22 (schematic designator R103)
R103_P2 "CRCW040222R0JNED" 0402 1972.44,1212.6 r0 top value=22 (schematic designator R103)
R104_P1 "CRCW040222R0JNED" 0402 1972.44,2236.22 r0 top value=22 (schematic designator R104)
R104_P2 "CRCW040222R0JNED" 0402 1972.44,1255.91 r0 top value=22 (schematic designator R104)
R105 "CRCW0603432RFKEA" 0603 462.6,1476.38 r180 top value=432
R106 "CRCW04024R75FKED" 0402 305.12,1476.38 r180 top value=4.75
R107 "CRCW060349K9FKEA" 0603 2726.38,3405.51 r180 top value=49.9k
R108 "CRCW060349K9FKEA" 0603 3433.07,2175.2 r180 top value=49.9k
R109 "CRCW060349K9FKEA" 0603 3433.07,685.04 r180 top value=49.9k
TP1 "5001" Keystone5001 169.29,3372.05 r90 top
TP2 "5001" Keystone5001 1543.31,1232.28 r90 top
TP3 "5000" Keystone5000 2411.42,2421.26 r90 top
TP4 "5000" Keystone5000 787.4,2785.43 r90 top
TP5 "5000" Keystone5000 787.4,3179.13 r90 top
TP6_F1 "5002" Keystone5002 3031.5,2643.7 r90 top (schematic designator TP6)
TP6_F2 "5002" Keystone5002 1433.07,3468.5 r90 top (schematic designator TP6)
TP7_F1 "5002" Keystone5002 2834.65,2643.7 r90 top (schematic designator TP7)
TP7_F2 "5002" Keystone5002 1433.07,3295.28 r90 top (schematic designator TP7)
TP8 "5000" Keystone5000 1543.31,1415.35 r90 top
TP9 "5000" Keystone5000 3543.31,3021.65 r90 top
TP9_P1 "TESTPOINT123" TP_VIA_018RND008 1536.22,327 r90 top (schematic designator TP9)
TP9_P2 "TESTPOINT123" TP_VIA_018RND008 1536.22,277 r90 top (schematic designator TP9)
TP10 "5001" Keystone5001 3586.61,2297.24 r90 top
TP10_P1 "TESTPOINT123" TP_VIA_018RND008 1586.22,327 r90 top (schematic designator TP10)
TP10_P2 "TESTPOINT123" TP_VIA_018RND008 1586.22,277 r90 top (schematic designator TP10)
TP11 "5001" Keystone5001 2688.98,1446.85 r90 top
TP11_P1 "TESTPOINT123" TP_VIA_018RND008 1836.22,327 r90 top (schematic designator TP11)
TP11_P2 "TESTPOINT123" TP_VIA_018RND008 1836.22,227 r90 top (schematic designator TP11)
TP12_P1 "TESTPOINT123" TP_VIA_018RND008 2036.22,277 r90 top (schematic designator TP12)
TP12_P2 "TESTPOINT123" TP_VIA_018RND008 2036.22,327 r90 top (schematic designator TP12)
TP13_P1 "TESTPOINT123" TP_VIA_018RND008 2086.22,277 r90 top (schematic designator TP13)
TP13_P2 "TESTPOINT123" TP_VIA_018RND008 2086.22,327 r90 top (schematic designator TP13)
TP14_P1 "TESTPOINT123" TP_VIA_018RND008 1936.22,227 r90 top (schematic designator TP14)
TP14_P2 "TESTPOINT123" TP_VIA_018RND008 1986.22,327 r90 top (schematic designator TP14)
TP15_P1 "TESTPOINT123" TP_VIA_018RND008 2236.22,227 r90 top (schematic designator TP15)
TP15_P2 "TESTPOINT123" TP_VIA_018RND008 2286.22,327 r90 top (schematic designator TP15)
U1 "MSP430G2332QPW2REP" PW0020A_L 541.34,1051.18 r0 top
U2 "LM74700QDBVRQ1" DBV0006A_N 2326.77,2765.75 r0 top
U3_F1 "TPS26631RGER" RGE0024H 3228.35,2992.13 r270 top (schematic designator U3)
U3_F2 "TPS26631RGER" RGE0024H 1401.57,2673.23 r90 top (schematic designator U3)
U4 "LM76003RNPR" RNP0030B 433.07,1940.94 r0 top
U5 "LMZM33603RLRR" RLR0018A 354.33,2598.43 r270 top
U6 "LMZ10500SILR" SIL0008A 1210.63,1771.65 r90 top
U7 "LMZ10500SILR" SIL0008A 1210.63,1377.95 r90 top
U8 "LP2951-33DRGR" DRG0008A 600.39,1370.08 r0 top
U9 "INA180A2IDBV" DBV0005A_N 986.22,2962.6 r90 bottom
U10 "P36S101" Apem_P36S10x 2777.56,2958.66 r90 top
U11 "P36S101" Apem_P36S10x 1938.98,2529.53 r0 top
U12 "TLC6C598QPWRQ1" PW0016A_N 1860.24,2832.68 r180 top
U13_P1 "DP83TC811RNDQ1" RND0036A 2066.93,1948.82 r90 top (schematic designator U13)
U13_P2 "DP83TC811RNDQ1" RND0036A 2066.93,970.47 r90 top (schematic designator U13)
U14_P1 "TPD2E2U06QDCKRQ1" DCK0003A_N 2566.93,1919.29 r180 top (schematic designator U14)
U14_P2 "TPD2E2U06QDCKRQ1" DCK0003A_N 2566.93,940.94 r180 top (schematic designator U14)
Y1 "ABM3-25.000MHZ-D2Y-T" XTAL_ABM3 2066.93,1582.68 r0 top

## Footprints (in the part's own frame and the unit in brackets; to place one, negate y for a bottom-side part, rotate by r counter-clockwise, add the part's x,y. Pads: shape width x height; smd on the part's side, far side on the other; paste and mask are expansions set on the pad)
0402 [mm] "0402 from SM-752 data"
  rect 0.8x0.6 smd: 1(-0.6,0) 2(0.6,0)
  silkscreen extent -1.22,-0.52 1.22,0.52, body extent -0.55,-0.3 0.55,0.3, height 0.6
0603 [mm] "0603 from SM-752 data"
  rect 1x0.95 smd: 1(-0.8,0) 2(0.8,0)
  silkscreen extent -1.52,-0.69 1.52,0.69, body extent -0.87,-0.47 0.87,0.47, height 1
0805_HV [mil] "0805 with 30mil clearance between pads"
  rect 50x63 smd: 1(-40,0) 2(40,0)
  silkscreen extent -74,-40 74,40, body extent -43,-29 43,29, height 57
1206 [mm] "1206 from SM-752 data"
  rect 1.3x1.85 smd: 1(-1.45,0) 2(1.45,0)
  silkscreen extent -2.4,-1.21 2.4,1.21, body extent -1.7,-0.9 1.7,0.9, height 1.35
1206_180 [mm] "1206_180"
  rect 1.1x1.6 smd: 1(-1.7,0) 2(1.7,0)
  silkscreen extent -0.9,-1 0.9,1, body extent -1.75,-0.95 1.75,0.95, height 1.8